# KiCad board prototype_01.kicad_pcb (continued)
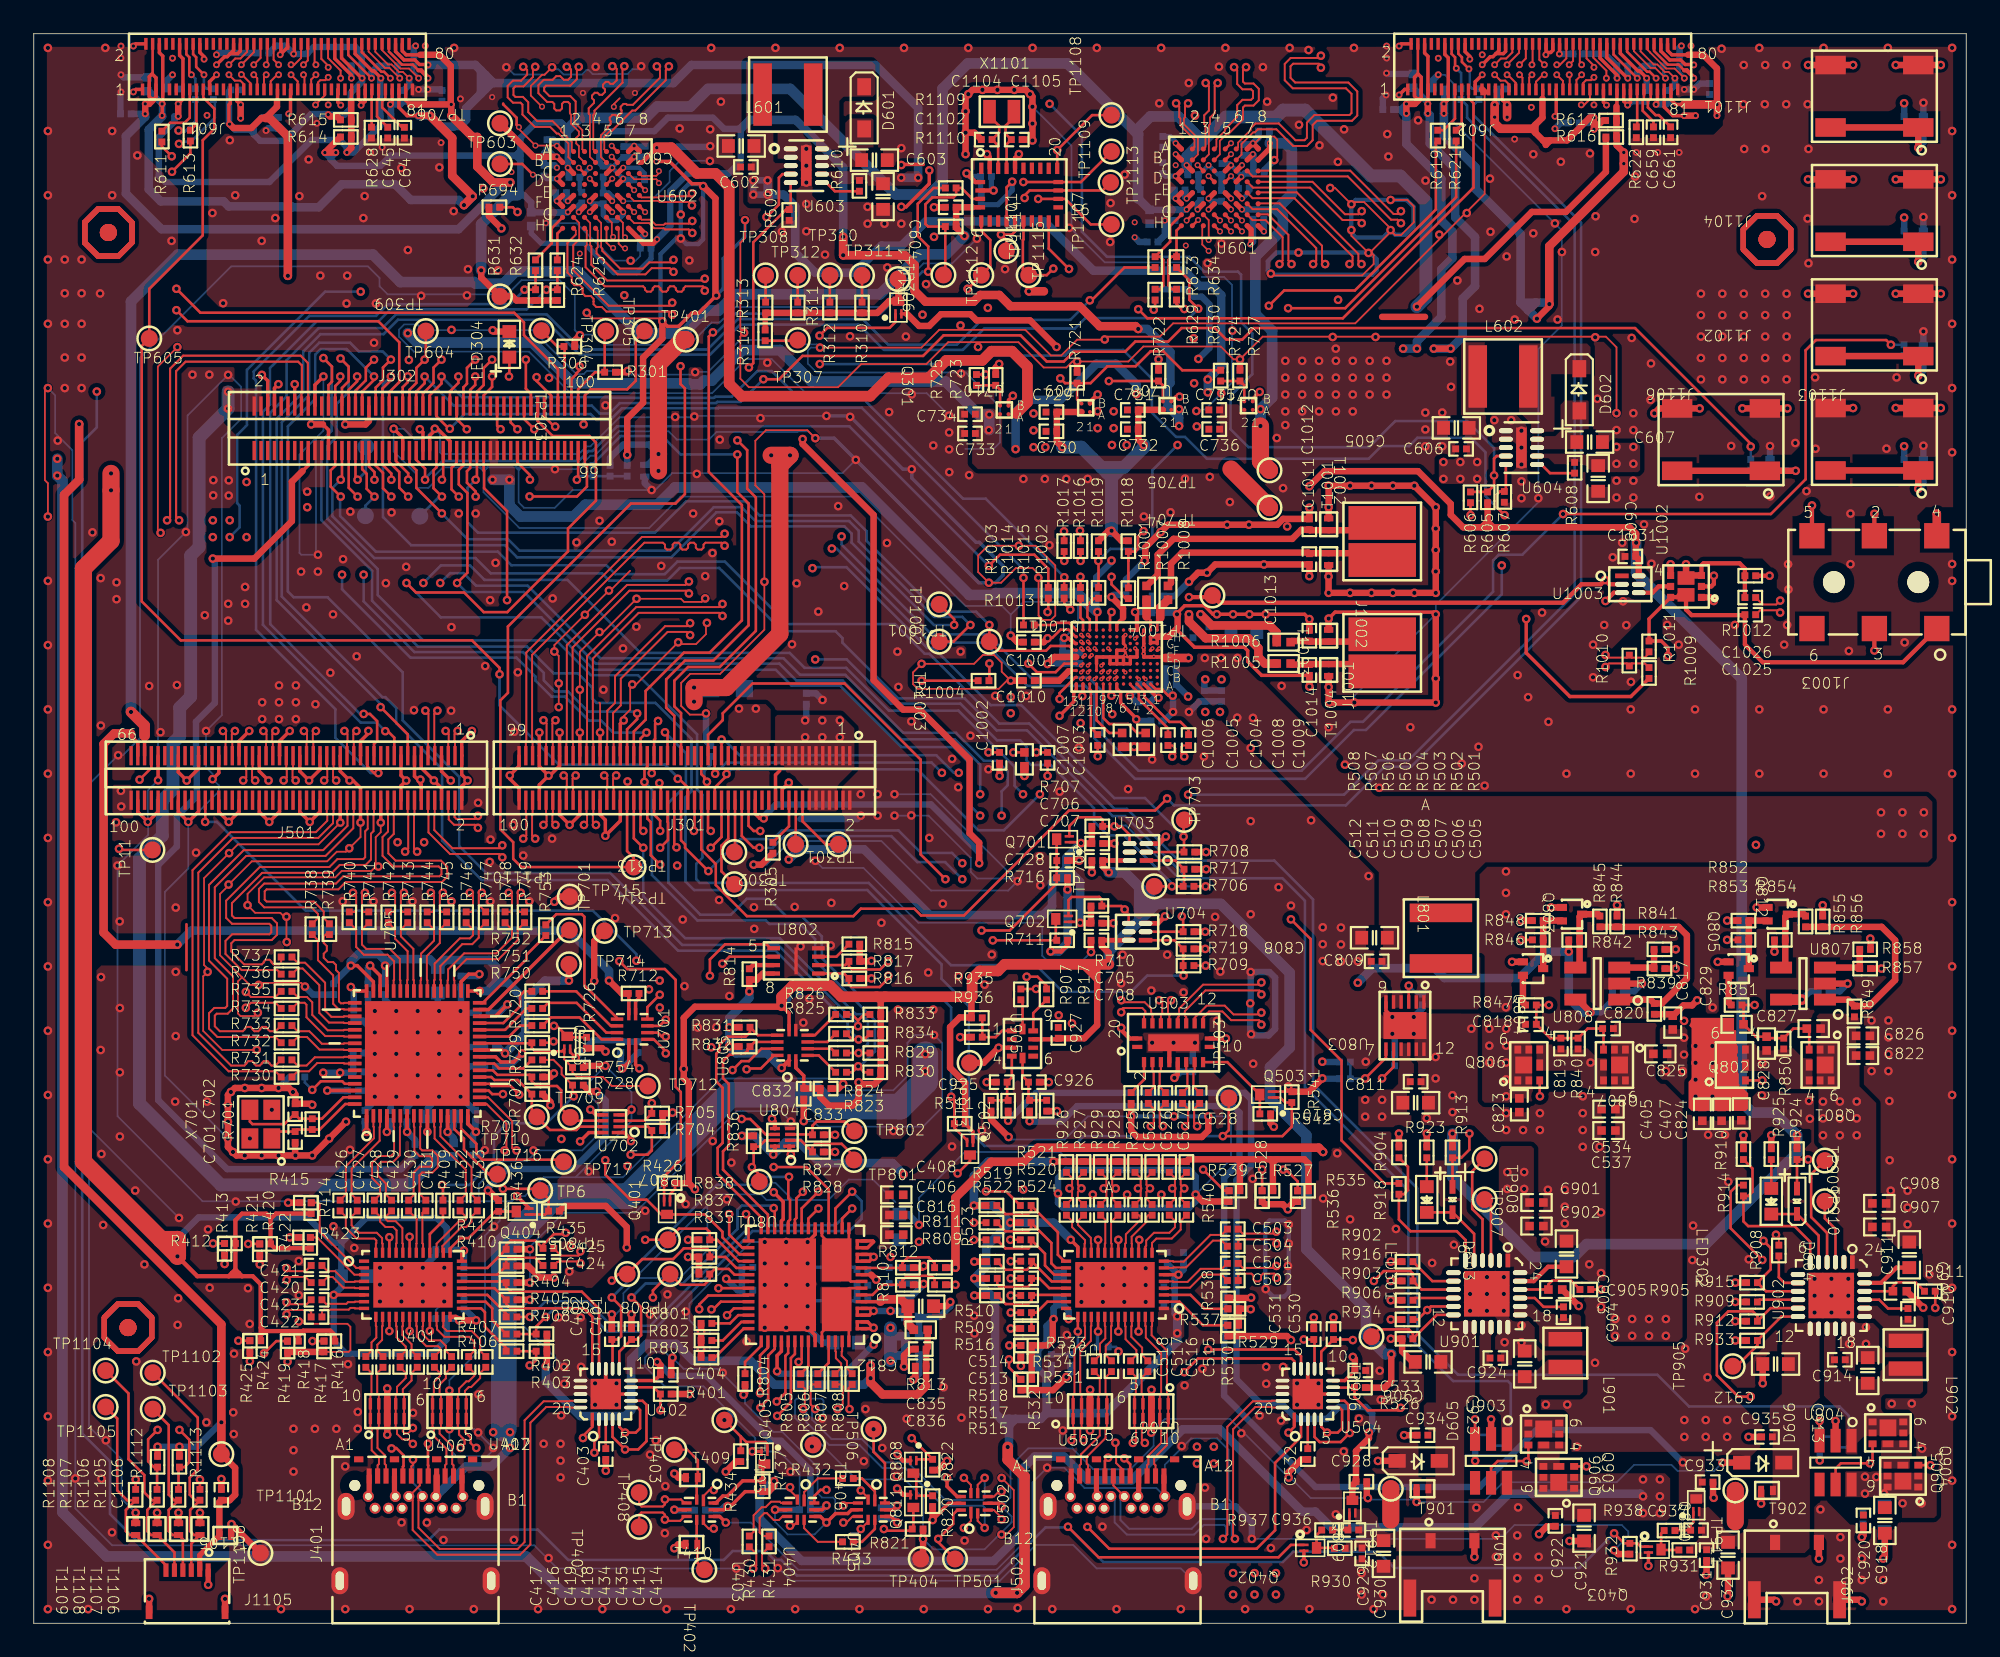
[diagram p0: board, top side]
## Routing (per net, layer and track width the routed paths; a pad name or vN(x,y) marks a point on that pad's centre or on a via; arc(x,y) is an arc through that point) (continued)
MIPI_DSI1_LANE2_N: length 68.5
  TOP w0.102: v4(34.34,81.53) 34.26,81.53 33.95,81.85 U602.H5
  TOP w0.114: v1(29.01,46.52) 29.2,46.7 29.2,47.96 29.17,47.99 J301.98
  ART03 w0.114: v4(34.34,81.53) 34.34,80.6 34.16,80.42 33.45,80.42 33.34,80.54 33.34,80.59 33.23,80.7 33,80.7 32.88,80.59 32.88,80.54 32.77,80.42 32.54,80.42 32.43,80.54 32.43,80.59 32.31,80.7 32.08,80.7 31.97,80.59 31.97,80.54 31.85,80.42 31.58,80.42 31.2,80.04 31.2,77.23 31.56,76.86 33.5,76.86 34.37,75.99 34.37,67.46 29.92,63.02 28.22,63.02 26.01,60.81 17.57,60.81 16.52,59.76 16.52,55.83 16.98,55.37 25.32,55.37 26.71,53.99 27.32,53.99 27.43,53.87 27.43,51.96 28.69,50.7 28.69,49.13 29.08,48.75 29.08,47.69 28.92,47.53 28.92,47.24 29.08,47.07 29.08,46.58 v1(29.01,46.52)
MIPI_DSI1_LANE2_P: length 68.7
  TOP w0.102: v4(34.34,82.18) 34.34,82.23 34.26,82.31 34.26,83.04 U602.G5
  TOP w0.114: v1(29.73,46.52) 29.54,46.7 29.54,47.96 29.57,47.99 J301.96
  ART03 w0.114: v1(29.73,46.52) 29.42,46.82 29.42,48.89 29.04,49.28 29.04,50.85 27.78,52.11 27.78,54.02 27.46,54.33 26.85,54.33 25.47,55.71 17.12,55.71 16.87,55.97 16.87,59.61 17.72,60.46 26.15,60.46 28.36,62.67 30.06,62.67 34.71,67.32 34.71,76.13 33.64,77.2 31.71,77.2 31.54,77.37 31.54,79.89 31.73,80.08 34.31,80.08 34.68,80.46 34.68,81.84 v4(34.34,82.18)
MIPI_DSI1_LANE3_N: length 68.7
  TOP w0.102: U602.H6 34.67,82.63 34.67,81.79 34.95,81.51 v4(35.05,81.51)
  TOP w0.114: v1(30.21,47.33) 30.4,47.51 30.4,47.96 30.37,47.99 J301.92
  ART03 w0.114: v4(35.05,81.51) 35.2,81.66 35.78,81.66 36.3,81.14 36.3,80.87 36.19,80.76 36.05,80.76 35.94,80.64 35.94,80.41 36.05,80.3 36.19,80.3 36.3,80.18 36.3,79.68 36.16,79.54 32.93,79.54 32.62,79.23 32.62,78.54 33.28,77.88 35.18,77.88 35.47,77.58 35.47,74.66 35.7,74.43 35.7,66.84 28.73,59.87 18.46,59.87 17.64,59.05 17.64,57.03 18.33,56.34 25.79,56.34 27,55.13 28.11,55.13 29.01,54.23 29.01,52.53 29.71,51.84 29.71,49.92 30.4,49.23 30.4,48.83 30.2,48.63 30.2,48.37 30.4,48.17 30.4,47.51 v1(30.21,47.33)
MIPI_DSI1_LANE3_P: length 68.5
  TOP w0.102: v4(35.05,82.16) 34.92,82.29 34.92,83.03 U602.G6
  TOP w0.114: v1(30.93,47.33) 30.74,47.51 30.74,47.96 30.77,47.99 J301.90
  ART03 w0.114: v4(35.05,82.16) 35.21,82 35.92,82 36.65,81.28 36.65,79.54 36.3,79.2 33.07,79.2 32.96,79.08 32.96,78.69 33.43,78.22 35.32,78.22 35.81,77.73 35.81,74.81 36.04,74.58 36.04,66.7 28.87,59.53 18.6,59.53 17.98,58.91 17.98,57.17 18.47,56.68 25.93,56.68 27.14,55.47 28.25,55.47 29.36,54.37 29.36,52.67 30.05,51.98 30.05,50.06 30.74,49.37 30.74,47.51 v1(30.93,47.33)
OTG_EN: length 54.4
  TOP w0.152: v1(39.99,44.59) 38.61,45.97 38.61,46.18 38.37,46.41 J301.52 ; U803.3 v1(81.51,37.8)
  ART03 w0.122: v1(55.04,45.06) 55.61,45.63 56.96,45.63 57.61,44.98 60.13,44.98 61.06,44.05 66.55,44.05 66.73,44.22 76.12,44.22 80.27,40.07 80.27,39.03 v1(81.51,37.8)
  BOTTOM w0.152: v1(55.04,45.06) 54.43,45.67 52.59,45.67 51.26,47 44.34,47 43.83,46.49 41.88,46.49 v1(39.99,44.59) ; v1(81.51,37.8) 82,37.3 R818.2
PA_BC_R_D+: length 17.4
  TOP w0.114: v1(56.37,5.65) 55.95,6.07 U502.2 ; R805.1 45.71,13.92 45.71,12.83 45.73,12.81 v1(45.61,12.7)
  BOTTOM w0.114: v1(45.61,12.7) 45.8,12.51 45.8,11.93 47.15,10.57 48.95,10.57 50.32,9.2 51.66,9.2 53.89,6.97 56.25,6.97 56.37,6.85 v1(56.37,5.65)
PA_BC_R_D-: length 17.2
  TOP w0.114: v1(46.32,12.7) 46.05,12.97 46.05,14.04 46.16,14.16 R806.1 ; U502.6 55.95,8.2 v1(56.37,8.62)
  BOTTOM w0.114: v1(46.32,12.7) 46.14,12.51 46.14,12.07 47.29,10.92 49.09,10.92 50.46,9.54 51.8,9.54 54.03,7.31 56.25,7.31 56.37,7.42 v1(56.37,8.62)
PA_DP_MODE: length 14.9
  TOP w0.152: v1(57.89,22.73) R524.2 ; U801.21 45.92,23.99 v1(46.51,24.59)
  ART03 w0.122: v1(46.51,24.59) 47.62,23.48 50.71,23.48 51.66,24.43 54.32,24.43 55.54,23.22 56.21,23.22 56.69,22.73 v1(57.89,22.73)
PA_POL: length 17.7
  TOP w0.152: R521.2 57.64,25.61 v1(56.44,25.61) ; U801.23 45.12,23.94 45.21,24.03 45.21,25.2 v1(45.59,25.58)
  ART03 w0.122: v1(56.44,25.61) 55.84,25.61 55.32,25.09 51.32,25.09 50.33,24.1 48.09,24.1 47.48,24.72 47.48,25.5 46.88,26.09 46.11,26.09 v1(45.59,25.58)
PA_PP_EXT_ENABLE: length 87.6
  TOP w0.152: v1(100.38,40.51) R853.2 ; U801.48 45.12,15.96 44.88,15.72 44.88,13.11 v1(44.07,12.29)
  ART03 w0.122: v1(44.07,12.29) 45.28,13.5 50.68,13.5 51.35,12.83 71.41,12.83 72,13.42 78.03,13.42 79.62,11.84 81.48,11.84 82.02,12.37 82.02,18.82 84.57,21.38 91.55,21.38 94.54,24.37 94.54,38.81 96.24,40.51 v1(100.38,40.51)
PA_R_D+: length 34.1
  TOP w0.114: v1(71.2,5) 71.09,5.11 71.09,11.51 72.41,12.82 73.36,12.82 73.38,12.79 74.02,12.79 ; J502.B6 64,8.17 J502.A6 ; v1(57.37,6.16) 57.37,6.26 56.92,6.71 U502.3
  ART03 w0.114: J502.B6 64.42,7.29 64.42,4.86 63.92,4.37 59.82,4.37 58.9,5.28 58.9,6.38 58.5,6.78 57.99,6.78 v1(57.37,6.16)
  BOTTOM w0.114: J502.B6 64.42,7.29 64.42,6.12 64.94,5.6 68.64,5.6 69.21,6.17 70.7,6.17 71.02,5.86 71.02,5.19 v1(71.2,5)
PA_R_D-: length 38
  TOP w0.114: v1(64.12,10.7) 64.16,10.66 64.16,9.5 64.5,9.16 J502.A7 ; 74.02,13.19 73.38,13.19 73.36,13.16 72.26,13.16 70.75,11.65 70.75,5.26 v1(70.49,5) ; v1(57.37,7.81) 57.21,7.81 56.92,7.51 U502.5
  ART03 w0.114: v1(64.12,10.7) 64.16,10.66 64.16,9.04 63.85,8.73 J502.B7 64.07,7.29 64.07,5 63.78,4.71 59.96,4.71 59.25,5.43 59.25,6.52 58.64,7.12 58.05,7.12 v1(57.37,7.81)
  BOTTOM w0.114: v1(70.49,5) 70.68,5.19 70.68,5.72 70.56,5.83 69.36,5.83 68.78,5.26 64.79,5.26 64.07,5.98 64.07,7.29 J502.B7
PA_R_HPDIN: length 38.9
  TOP w0.152: v1(55.73,22.73) R523.2 ; v1(41.22,24.26) 41.22,23.04 42,22.27 U801.30 ; v1(54.76,26.67) 55.5,27.41 Q502.3
  ART03 w0.122: v1(41.22,24.26) 42.37,23.11 50.97,23.11 52.01,24.16 54.08,24.16 55.5,22.73 v1(55.73,22.73)
  ART06 w0.122: v1(54.76,26.67) 55.22,26.21 55.22,23.24 v1(55.73,22.73) 56.49,21.97 56.49,19.12 57.66,17.95 58.41,17.95 60.25,16.11 v1(64.3,16.11)
  BOTTOM w0.152: v1(64.3,16.11) 64.3,16.23 64.15,16.38 R512.2
PA_USB3: length 14.5
  TOP w0.152: v1(46.51,25.59) 45.52,24.59 U801.22 ; v1(55.73,23.75) R522.2
  ART03 w0.122: v1(55.73,23.75) 55.73,23.98 54.97,24.74 51.48,24.74 50.53,23.79 47.84,23.79 47.11,24.52 47.11,25 46.52,25.59 v1(46.51,25.59)
PB_BC_L_D+: length 11.5
  TOP w0.114: v1(49.02,7.87) 49.46,7.44 U405.2 ; R807.1 47.84,14.16 47.96,14.04 47.96,13.01 v1(47.65,12.7)
  ART03 w0.114: v1(47.65,12.7) 47.78,12.7 47.89,12.58 47.89,11.64 48.1,11.43 48.1,11.15 48.29,10.97 48.57,10.97 48.75,10.78 48.75,10.51 48.94,10.32 49.21,10.32 49.92,9.61 49.92,7.13 49.69,6.9 49.14,6.9 49.02,7.02 v1(49.02,7.87)
PB_BC_L_D-: length 11.2
  TOP w0.114: v1(48.36,12.7) 48.3,12.76 48.3,13.94 R808.1 ; v1(49.02,5.59) 49.46,6.02 U405.6
  ART03 w0.114: v1(48.36,12.7) 48.23,12.58 48.23,11.79 50.26,9.76 50.26,6.99 49.83,6.56 49.14,6.56 49.02,6.45 v1(49.02,5.59)
PB_DP_MODE: length 25.2
  TOP w0.152: v1(48.51,24.59) 47.92,23.99 U801.16 ; R408.2 v1(29.41,18.16)
  BOTTOM w0.152: v1(48.51,24.59) 47.52,23.6 42.5,23.6 36.55,17.64 34.25,17.64 32.8,19.09 30.34,19.09 v1(29.41,18.16)
PB_L_D+: length 58.9
  TOP w0.114: 48.86,7.13 48.14,7.13 v1(47.99,6.98) ; v1(22.48,9.7) 22.48,9.4 22.38,9.3 J401.A6 ; 32.41,13.19 31.77,13.19 31.74,13.16 30.23,13.16 29.1,12.03 29.1,4.82 28.69,4.41 24.07,4.41 22.81,5.67 22.81,7.29 J401.B6
  ART03 w0.114: J401.B6 22.81,7.75 22.81,8.58 22.98,8.75 23.14,8.75 23.28,8.61 23.44,8.61 23.6,8.77 23.6,8.94 23.46,9.07 23.46,9.23 23.62,9.4 23.78,9.4 23.92,9.26 24.08,9.26 24.25,9.42 24.25,9.58 24.11,9.72 24.11,9.88 26.32,12.1 29.5,12.1 30.23,12.82 32.04,12.82 32.77,12.1 35.51,12.1 36.18,11.43 39.42,11.43 41.48,9.37 43.3,9.37 43.51,9.58 45.28,9.58 45.51,9.35 46.21,9.35 46.32,9.24 46.32,8.84 46.44,8.73 46.67,8.73 46.78,8.84 46.78,9.24 46.9,9.35 47.14,9.35 47.46,9.03 47.46,8.86 47.38,8.78 47.38,8.62 47.55,8.46 47.71,8.46 47.79,8.54 47.95,8.54 48.12,8.37 48.12,8.13 48.01,8.01 47.89,8.01 47.78,7.9 47.78,7.67 47.89,7.56 48.01,7.56 48.12,7.44 48.12,7.12 v1(47.99,6.98)
  BOTTOM w0.114: v1(22.48,9.7) 22.5,9.68 22.5,8.31 23.03,7.78 J401.B6
PB_L_D-: length 57
  TOP w0.114: 32.41,12.79 31.77,12.79 31.74,12.82 30.37,12.82 29.44,11.89 29.44,4.67 28.83,4.06 23.92,4.06 22.46,5.53 22.46,7.29 J401.B7 22.88,8.17 J401.A7 ; v1(47.99,5.97) 48.18,5.97 48.54,6.33 48.86,6.33
  ART03 w0.114: J401.B7 22.46,7.75 22.46,8.72 26.18,12.44 29.35,12.44 30.08,13.17 32.18,13.17 32.91,12.44 35.66,12.44 36.32,11.78 39.56,11.78 41.63,9.71 43.15,9.71 43.37,9.92 45.43,9.92 45.65,9.7 47.28,9.7 48.46,8.51 48.46,6.44 v1(47.99,5.97)
PB_L_HPDIN: length 36.8
  TOP w0.114: R729.2 30.81,33.4 31.29,32.92 31.29,32.55 R728.1 31.94,31.38 32,31.32 v1(32,31.24)
  TOP w0.152: U801.31 41.84,21.87 40.82,22.88 40.82,23.21 39.8,24.24 Q401.3 37.2,24.24 36.33,25.11 35.37,25.11 33.88,26.6 v1(33.88,27.45) ; v1(24.21,25.98) 24.26,25.93 R409.2
  ART03 w0.122: v1(33.88,27.45) 32.42,27.45 31.85,26.88 25.11,26.88 v1(24.21,25.98)
  BOTTOM w0.152: v1(32,31.24) 30.41,29.65 28.06,29.65 27.28,28.86 27.28,27.46 25.81,25.98 v1(24.21,25.98)
PB_POL: length 32.9
  TOP w0.152: R406.2 R403.2 29.78,15.61 29.46,15.29 v1(29.4,15.29) ; v1(43.86,27.05) 45.8,27.05 47.12,25.73 U801.18
  ART03 w0.152: v1(43.86,27.05) 43.05,26.23 41.23,26.23 40.88,26.58 38.85,26.58 38.15,25.88 38.15,25.12 36.95,23.92 35.67,23.92 35.37,24.21 31.74,24.21 30.4,22.88 30.4,22.22 28.91,20.72 28.91,16.96 29.44,16.42 29.44,15.33 v1(29.4,15.29)
PB_PP_EXT_ENABLE: length 82.6
  TOP w0.152: v1(88.19,40.51) R846.2 ; U801.49 45.52,15.68 v1(45.34,15.49)
  ART03 w0.122: v1(45.34,15.49) 47.04,13.79 51.03,13.79 51.66,13.16 71.21,13.16 71.78,13.73 78.25,13.73 79.78,12.19 81.2,12.19 81.66,12.65 81.66,18.99 84.35,21.68 91.43,21.68 94.21,24.46 94.21,38.71 92.2,40.72 88.39,40.72 v1(88.19,40.51)
PB_USB3: length 29.1
  TOP w0.152: U801.17 47.52,24.59 v1(48.51,25.59) ; v1(30.35,18.16) 29.78,17.59 R402.2 R407.2
  BOTTOM w0.152: v1(48.51,25.59) 49.07,25.03 49.07,23.98 48.35,23.25 42.61,23.25 36.65,17.29 34.01,17.29 32.6,18.7 30.89,18.7 v1(30.35,18.16)
PD_I2C1_IRQZ: length 5
  TOP w0.152: U804.2 45.47,28.63 R828.1 46.16,28.27 46.31,28.42 47.89,28.42 48.62,27.7 TP801.1
PD_I2C2_IRQZ: length 4.7
  TOP w0.152: TP802.1 48.08,29.74 46.41,29.74 46.16,29.5 R827.1 46.14,28.98 U804.3
PD_LDO_1V8: length 4
  TOP w0.203: U801.35 41.2,20.27 v1(41.05,20.42)
  BOTTOM w0.381: C806.1 C807.1 41.72,19.74 v1(41.05,20.42)
PD_LDO_3V3: length 237.9
  TOP w0.203: U801.9 49.64,20.67 ; U404.9 46.74,6.73 v1(46.99,6.98) ; 77.02,14.39 77.72,14.39 C533.1 ; 35.41,14.39 36.8,14.39 C404.1 ; U405.9 50.93,6.73 v1(51.18,6.98) ; v1(53.28,6.12) 53.87,6.71 53.87,6.76 54.23,7.11 54.95,7.11
  TOP w0.254: U804.8 43.93,27.88 v1(43.84,27.79) ; v1(51.18,7.98) 51.55,7.61 Q811.2 ; v1(44.33,32.92) 44.77,33.36 U805.1 ; 43.22,38.52 U802.8 ; v1(67.61,32.33) 67.81,32.53 U503.6
  TOP w0.381: 49.64,20.67 v1(49.94,20.37) ; v1(78.19,15.79) 78.31,15.67 C533.1 ; v1(53.28,6.12) R820.1 ; v1(103.18,39.82) R854.2 ; v1(41.22,35.33) R831.2 ; R816.1 v1(49.66,38.23) ; v1(92.28,36.22) 91.53,36.97 U808.5 ; C404.1 37.14,15.31 v1(36.96,15.49) ; R809.1 v1(54.64,20.07) ; R811.1 v1(54.64,21.08) ; R542.1 73.32,29.63 v1(73.51,29.44) ; R815.1 R817.1 49.63,39.24 v1(49.66,39.27) ; 43.22,38.52 42.86,38.16 R814.1 v1(42.42,37.45) ; v1(38.79,21.72) R837.2 R835.2 ; v1(90.99,39.82) R842.2 ; v1(41.22,34.19) R832.2 ; v1(41.97,28.9) R836.2 ; v1(38.79,22.73) R838.2
  TOP w0.508: v1(76.43,27.94) 76.17,28.19 59.52,28.19 58.68,27.36 56.77,27.36 54.64,25.23 v1(54.64,21.08)
  TOP w0.635: U807.5 v1(104.81,36.97)
  ART03 w0.508: 72.49,32.43 73.43,31.5 73.51,31.5 ; 72.49,32.43 72.92,32.43 ; 72.49,32.43 67.71,32.43 v1(67.61,32.33) ; v1(42.42,37.45) 42.75,37.79 45.45,37.79 45.89,38.23 v1(49.66,38.23) v1(49.66,39.27) ; 73.51,31.5 v1(73.51,29.44) 75.01,27.94 75.38,27.94 ; 73.51,31.5 73.51,31.95 ; 75.38,27.94 v1(76.43,27.94) 75.76,27.27 ; 75.38,27.94 75.76,27.56 75.76,27.27 ; v1(78.49,37.97) 78.49,37.41 73.51,32.43 ; 72.92,32.43 73.51,32.43 ; 72.92,32.43 73.4,31.95 73.51,31.95 ; 73.51,32.43 73.51,31.95 ; v1(36.96,15.49) 37.2,15.73 37.2,18.18 38.43,19.42 38.43,21.36 v1(38.79,21.72) v1(38.79,22.73) ; v1(54.64,20.07) v1(54.64,21.08) ; 75.76,27.27 75.76,22.41 79.3,18.87 79.3,16.3 78.79,15.79 v1(78.19,15.79)
  ART05 w0.381: v1(44.33,32.92) 46.6,30.65 46.6,29.31 46.12,28.82 44.63,28.82 43.84,28.03 v1(43.84,27.79)
  ART05 w0.508: v1(41.97,28.9) 40.52,27.45 40.52,25.77 38.79,24.03 v1(38.79,22.73) v1(38.79,21.72) 38.46,21.39 38.46,19.44 37.18,18.15 37.18,15.71 v1(36.96,15.49) ; v1(90.99,39.82) 92.28,38.53 v1(92.28,36.22) 95.81,36.22 97.31,37.72 100.44,37.72 102.53,39.82 v1(103.18,39.82) 104.81,38.19 v1(104.81,36.97)
  ART06 w0.381: 54.05,22.07 53.87,21.89 53.82,21.89 ; v1(54.64,20.07) v1(54.64,21.08) ; 53.82,21.89 52.25,21.89 50.72,20.37 v1(49.94,20.37) ; 53.82,21.89 54.05,21.66
  ART06 w0.508: v1(51.56,26.62) 54.05,24.13 54.05,21.66 v1(54.64,21.08) ; 52.05,6.11 53.27,6.11 v1(53.28,6.12) ; 52.05,6.11 52.05,5.18 51.47,4.6 47.04,4.6 46.18,5.46 46.18,6.18 v1(46.99,6.98) ; 52.05,6.11 v1(51.18,6.98) v1(51.18,7.98)
  BOTTOM w0.381: v1(51.18,6.98) 51.04,6.85 C438.1 ; v1(36.96,15.49) 37.79,14.67 39.88,14.67 43.72,10.82 44.3,10.82 46.04,9.08 C436.1 46.74,6.73 v1(46.99,6.98) ; C821.1 93.58,36.92 92.89,36.22 v1(92.28,36.22) ; C529.1 67.98,32.7 v1(67.61,32.33) ; C830.1 105.3,37.46 v1(104.81,36.97)
  BOTTOM w0.508: v1(44.33,32.92) 43.47,33.78 41.63,33.78 v1(41.22,34.19) v1(41.22,35.33) 41.22,35.88 42.42,37.07 v1(42.42,37.45) ; v1(51.56,26.62) 50.9,27.28 46.61,27.28 45.36,28.52 44.58,28.52 v1(43.84,27.79) 42.73,28.9 v1(41.97,28.9) ; v1(92.28,36.22) 91.82,36.22 90.99,37.05 v1(90.99,39.82) 89.63,39.82 88.06,38.25 83.62,38.25 83.03,38.84 79.35,38.84 v1(78.49,37.97)
PD_RESET: length 136.7
  TOP w0.152: J302.84 29.47,72.89 29.17,73.19 v1(29.17,74.91) ; Q808.1 52.39,9.72 R822.1 53.28,9.73 v1(52.04,10.97)
  ART03 w0.122: v1(29.17,74.91) 29.69,74.4 30.78,74.4 31.44,73.75 31.44,68.13 28.27,64.96 27.47,64.96 26.7,64.19 16.39,64.19 15.99,63.79 13.22,63.79 v1(12.62,64.39)
  ART06 w0.122: v1(12.62,64.39) 12.62,63.03 3.5,53.91 3.5,21.94 10.62,14.81 16.27,14.81 17.81,16.35 25.86,16.35 27.16,17.65 38.8,17.65 39.03,17.88 40.07,17.88 41.71,16.24 46.78,16.24 v1(52.04,10.97)
PD_SPI_CLK: length 29.2
  TOP w0.152: U801.38 40.73,19.07 40.27,18.61 v1(40.17,18.61) ; v1(40.82,39.1) 41.24,39.52 U802.6
  ART06 w0.122: v1(40.17,18.61) 39.83,18.95 39.83,24.62 42.1,26.9 42.1,27.28 43.04,28.22 43.04,31.6 43.29,31.84 43.29,34.76 41.6,36.45 41.08,36.45 40.62,36.91 40.62,38.9 v1(40.82,39.1)
PD_SPI_MISO: length 33.7
  TOP w0.152: U802.2 48.1,39.02 R817.2 48.32,38.95 48.51,38.76 50.17,38.76 v1(50.66,39.24) ; v1(40.59,19.86) 40.59,19.87 U801.36
  ART06 w0.122: v1(50.66,39.24) 50.14,38.73 50.14,38.08 50.37,37.86 50.37,30.07 49.36,29.07 49.36,24.55 48.22,23.41 43,23.41 41.68,22.09 41.68,20.35 41.25,19.91 40.64,19.91 v1(40.59,19.86)
PD_SPI_MOSI: length 31.4
  TOP w0.152: v1(40.08,38.38) 40.08,39.35 40.98,40.25 43.44,40.25 43.67,40.02 U802.5 ; v1(39.45,18.62) 39.45,18.9 39.98,19.43 42.33,19.43 U801.37
  ART06 w0.122: v1(40.08,38.38) 40.08,37.02 40.99,36.11 41.48,36.11 43.01,34.58 43.01,32.12 42.72,31.82 42.72,28.44 41.83,27.55 41.83,27.1 39.55,24.82 39.55,18.72 v1(39.45,18.62)
PD_SPI_SS: length 33.6
  TOP w0.152: v1(41.1,18.26) 41.5,18.67 U801.39 ; v1(50.66,38.39) 50.66,38.23 50.15,37.72 48.47,37.72 48.32,37.87 R816.2 48.03,38.52 U802.1
  ART06 w0.122: v1(50.66,38.39) 50.66,29.89 49.66,28.89 49.66,24.42 48.33,23.09 43.13,23.09 41.99,21.96 41.99,19.16 v1(41.1,18.26)
R_775_EN: length 52.4
  TOP w0.152: R724.2 68.08,74.28 66.95,75.41 66.21,75.41 65.32,74.52 63.65,74.52 62.65,73.52 R721.2 ; v1(37.08,49.81) 37.17,49.72 J301.58 ; U709.B2 61.85,72.57 R721.2 ; v1(60.85,73.8) 61.13,73.52 R721.2
  ART03 w0.122: v1(37.08,49.81) 37.08,50.25 40.49,53.66 40.49,54.47 42.89,56.88 44.55,56.88 53.79,66.12 53.79,72.19 56.8,75.19 59.46,75.19 v1(60.85,73.8)
R_AUXN: length 49.9
  TOP w0.114: v1(67.49,51.38) 67.67,51.57 67.67,51.86 67.49,52.04 C1008.2
  TOP w0.152: v1(57.91,20.45) C513.1
  ART06 w0.114: v1(57.91,20.45) 58.12,20.65 59.82,20.65 60.72,21.55 67.14,21.55 71.78,26.19 71.78,32.08 69.64,34.22 69.64,36.59 71.19,38.14 71.19,51.81 70.45,52.55 67.99,52.55 67.6,52.17 67.6,51.5 v1(67.49,51.38)
R_AUXP: length 49.3
  TOP w0.114: v1(68.2,51.38) 68.01,51.57 68.01,51.92 68.13,52.04 C1009.2
  TOP w0.152: v1(57.91,21.46) C514.1
  ART06 w0.114: v1(57.91,21.46) 57.91,21.11 58.03,20.99 59.67,20.99 60.58,21.89 67,21.89 71.44,26.33 71.44,31.94 69.3,34.08 69.3,36.74 70.85,38.29 70.85,51.67 70.31,52.21 70.04,52.21 69.92,52.1 69.92,52.06 69.81,51.94 69.58,51.94 69.47,52.06 69.47,52.1 69.35,52.21 69.12,52.21 69.01,52.1 69.01,52.06 68.89,51.94 68.67,51.94 68.55,52.06 68.55,52.1 68.44,52.21 68.13,52.21 67.94,52.03 67.94,51.5 68.06,51.38 v1(68.2,51.38)
R_BAT_CTL: length 112.1
  TOP w0.152: v1(18.2,67.79) 18.27,67.87 J302.27
  BOTTOM w0.152: R920.1 87.18,10.53 87.55,10.9 87.55,14.19 87.38,14.36 84.14,14.36 81.48,17.01 81.48,25.65 75.35,31.79 75.35,42.84 74.02,44.17 68.38,44.17 64.69,47.85 63.96,47.85 58.88,52.93 57.08,52.93 55.18,54.83 51.24,54.83 47.94,58.13 47.94,58.4 47.53,58.81 44.38,58.81 40.63,62.56 38.29,62.56 37.55,61.81 34.12,61.81 33.69,62.25 27.09,62.25 26.19,63.15 20.18,63.15 17.7,65.63 17.7,67.3 v1(18.2,67.79)
R_C_CC1: length 24.7
  TOP w0.152: J502.A5 63.5,9.62 v1(63.69,9.82) ; 75.92,12.09 75.92,11.05 76.22,10.74 77.47,10.74 v1(78,11.28) 77.93,11.35 77.93,12.95 77.7,13.19 77.02,13.19
  ART03 w0.152: v1(63.69,9.82) 63.37,10.13 63.37,11 64.72,12.34 71.48,12.34 72,12.86 73.99,12.86 74.63,12.22 77.06,12.22 v1(78,11.28)
R_C_CC2: length 18
  TOP w0.152: 77.02,12.79 77.4,12.79 77.55,12.64 77.55,11.56 77.3,11.3 v1(76.66,11.3) 76.32,11.65 76.32,12.09
  ART03 w0.122: J502.B5 66.15,5.72 68.88,5.72 73.99,10.83 76.19,10.83 v1(76.66,11.3)
R_C_SBU1: length 13.8
  TOP w0.152: U504.1 74.72,11.65 v1(74.38,11.3) ; v1(64.64,9.78) 65,9.43 J502.A8
  ART03 w0.152: v1(74.38,11.3) 72.49,11.3 71.83,11.96 65.48,11.96 64.64,11.13 v1(64.64,9.78)
R_C_SBU2: length 20.8
  TOP w0.152: v1(62.46,5.72) 63.75,4.42 72.49,4.42 73.58,5.51 73.58,9.51 75.12,11.05 75.12,12.09
  ART06 w0.122: J502.B8 63.45,6.7 v1(62.46,5.72)
R_CC1: length 48.9
  TOP w0.152: v1(75.29,16.82) C531.1 75.92,16.78 75.92,15.09 ; U801.45 43.92,16.26 43.54,15.88 43.54,13.3 43.07,12.84 v1(43.07,12.78)
  ART03 w0.122: v1(43.07,12.78) 42.58,13.27 42.58,16.29 43.06,16.77 48.37,16.77 48.69,17.09 48.69,19.13 49.14,19.59 52.09,19.59 56.92,14.76 59.91,14.76 60.54,15.39 67.07,15.39 68.96,17.27 74.84,17.27 v1(75.29,16.82)
R_CC2: length 49.7
  TOP w0.152: U801.47 44.72,16.02 44.56,15.85 44.56,13.66 v1(44.04,13.15) ; v1(78.19,16.79) 78.16,16.82 C530.1 76.32,16.1 76.32,15.09
  ART03 w0.122: v1(78.19,16.79) 76.81,16.79 76.25,16.23 74.3,16.23 73.57,16.96 69.08,16.96 67.22,15.1 60.74,15.1 59.97,14.33 56.76,14.33 51.78,19.31 49.41,19.31 49.02,18.91 49.02,16.74 48.3,16.03 45.14,16.03 44.83,15.71 44.83,13.93 v1(44.04,13.15)
R_CHG_CE: length 70.6
  TOP w0.152: v1(79.44,20.29) 80.03,20.88 81.61,20.88 81.75,20.74 R916.2 82.26,19.78 U901.9 ; J301.34 41.97,46.68 42.67,45.97 v1(43.01,45.97)
  ART03 w0.122: v1(79.44,20.29) 79.44,23.31 81.46,25.32 81.46,32.89 79.96,34.39 79.96,39.73 76.65,43.04 65.77,43.04 65.42,43.4 62.88,43.4 62.32,42.83 59.24,42.83 58.57,43.51 55.64,43.51 v1(55.04,44.11)
  BOTTOM w0.152: v1(43.01,45.97) 43.8,45.97 44.49,46.66 50.84,46.66 52.37,45.13 54.03,45.13 v1(55.04,44.11)
R_CHG_STAT: length 99.3
  TOP w0.152: v1(25.1,61.67) 25.7,62.28 25.7,67.01 25.2,67.51 25.2,68.38 25.47,68.65 J302.63 ; D603.1 R913.2 84.62,27.59 85.1,28.08 v1(85.1,29.03)
  ART03 w0.122: v1(56.1,49.15) 56.72,48.53 56.72,47.86 57.2,47.39 62.82,47.39 63.48,46.72 64.81,46.72 65.66,45.86 68.87,45.86 69.2,46.19 85.14,46.19 86.69,44.64 86.69,38.15 84.66,36.12 84.66,29.47 v1(85.1,29.03)
  BOTTOM w0.152: v1(25.1,61.67) 25.63,61.14 29.06,61.14 33.3,56.89 44.21,56.89 45.21,55.89 47.96,55.89 51.45,52.4 54.6,52.4 56.1,50.9 v1(56.1,49.15)
R_D+: length 20.9
  TOP w0.114: v1(55.14,8.62) 55.55,8.2 U502.7 ; v1(44.83,8.07) 44.83,7.87 45.27,7.44 U404.2
  ART03 w0.114: v1(55.14,8.62) 55.14,7.42 55.02,7.31 54.72,7.31 54.35,6.94 54.35,4.21 53.64,3.5 46.05,3.5 45.94,3.62 45.94,6.52 45.55,6.9 44.95,6.9 44.83,7.02 v1(44.83,8.07)
R_D-: length 20.9
  TOP w0.114: v1(55.14,5.65) 55.55,6.07 U502.1 ; U404.6 45.27,6.02 45.02,5.78 v1(44.83,5.78)
  ART03 w0.114: v1(55.14,5.65) 55.14,6.85 55.02,6.97 54.86,6.97 54.69,6.8 54.69,4.07 53.78,3.16 45.91,3.16 45.59,3.47 45.59,3.76 45.48,3.87 45.42,3.87 45.3,3.98 45.3,4.21 45.42,4.33 45.48,4.33 45.59,4.44 45.59,4.67 45.48,4.78 45.42,4.78 45.3,4.9 45.3,5.13 45.42,5.24 45.48,5.24 45.59,5.36 45.59,6.37 45.41,6.56 44.95,6.56 44.83,6.45 v1(44.83,5.78)
R_EN: length 73.2
  TOP w0.152: v1(87.19,65.69) 86.72,66.17 86.72,66.9 86.91,67.1 R607.2 87.26,67.19 U604.5 ; J302.82 29.07,71.39 v1(29.67,70.79)
  ART06 w0.122: v1(46.59,74.65) 45.92,74.65 44.55,73.28 30.94,73.28 29.67,72.01 v1(29.67,70.79)
  BOTTOM w0.152: v1(46.59,74.65) 55.79,74.65 56.29,75.16 61.13,75.16 61.45,75.48 64.58,75.48 66.28,73.78 66.28,71.77 67.72,70.33 68.24,70.33 69.54,69.04 79.13,69.04 79.88,69.79 81.53,69.79 82.02,70.28 85.19,70.28 86.06,69.42 86.06,66.83 v1(87.19,65.69)
R_FAULT: length 136.2
  TOP w0.152: J302.86 29.87,71.27 30.76,70.38 32.94,70.38 33.32,70 33.32,66.55 31.67,64.9 31.67,63.55 28.07,59.94 26.68,59.94 25.51,61.11 22.66,61.11 v1(22.1,61.67) ; 77.02,13.99 77.04,13.97 R526.2 78.29,13.4 79.07,12.62 80.87,12.62 v1(81.03,12.78)
  ART03 w0.122: v1(56.1,47.88) 56.96,47.03 62.56,47.03 64.37,45.21 69.69,45.21 70.39,45.91 85.03,45.91 86.39,44.55 86.39,38.36 81.75,33.72 81.75,25.07 81.29,24.61 81.29,13.04 v1(81.03,12.78)
  BOTTOM w0.152: v1(56.1,47.88) 55.45,48.53 55.45,50.99 54.5,51.94 51.44,51.94 47.8,55.59 44.92,55.59 43.98,56.53 33.2,56.53 30.09,59.63 24.13,59.63 v1(22.1,61.67)
R_I2C_SCL: length 5.8
  TOP w0.152: R629.1 66.74,79.09 66.95,79.3 66.95,80.82 66.76,81.02 R633.1 67.36,81.9 67.36,82.83 U601.G1
R_I2C_SDA: length 4.6
  TOP w0.152: R630.1 67.49,79.09 67.26,79.31 67.26,80.82 67.45,81.02 R634.1 67.74,82.56 U601.H1
R_L_D+: length 11.3
  TOP w0.114: v1(42.65,3.24) 42.83,3.43 42.83,4.12 R430.2 ; U403.1 39.7,7.54 40.06,7.9 v1(40.31,7.9)
  ART03 w0.114: v1(40.31,7.9) 40.31,7.04 40.2,6.93 39.56,6.93 39.15,6.52 39.15,4.68 39.58,4.25 42.55,4.25 42.75,4.06 42.75,3.35 v1(42.65,3.24)
R_L_D-: length 11.2
  TOP w0.114: U403.7 39.7,5.92 40,5.61 v1(40.31,5.61) ; v1(43.36,3.24) 43.17,3.43 43.17,4.12 R431.2
  ART03 w0.114: v1(43.36,3.24) 43.24,3.24 43.09,3.39 43.09,4.2 42.69,4.6 39.73,4.6 39.5,4.83 39.5,6.38 39.71,6.58 40.37,6.58 40.55,6.4 40.55,5.73 40.44,5.61 v1(40.31,5.61)
R_LCD_RST: length 90.2
  TOP w0.152: J302.31 19.07,67.92 v1(19.2,67.79) ; J602.19 85.05,90.42 85.34,90.12 85.34,85.11 77.6,77.36 66.01,77.36 v1(65.47,77.9)
  ART06 w0.122: v1(19.2,67.79) 19.68,67.3 19.68,65.97 21.54,64.11 31.36,64.11 33.86,66.6 33.86,68.88 36.99,72.02 45.26,72.02 45.51,72.27 50.22,72.27 53.11,75.16 57.84,75.16 58.67,74.32 61.52,74.32 61.7,74.14 62.56,74.14 64.26,75.84 64.26,76.69 v1(65.47,77.9)
  BOTTOM w0.152: v1(19.2,67.79) 19.68,68.28 TP606.1
R_LCD_VCCP: length 63.3
  TOP w0.152: 82.05,91.85 J602.4
  TOP w0.203: 98.07,92.98 97.1,92.98 96.85,93.24 J602.78 ; J602.79 97.05,90.33 97.33,90.04 97.84,90.04 ; 81.85,90.54 J602.3 81.85,91.65 82.05,91.85 82.25,91.65 J602.5 82.25,90.45 82.09,90.3 81.85,90.54
  TOP w0.381: 82.09,90.3 81.87,90.07 v5(81.37,90.07) v5(81.37,89.51) ; v5(99.78,89.38) v5(99.78,90.04) 99.78,92.17 98.96,92.98 98.07,92.98
  TOP w0.508: 97.84,90.04 v5(99.78,90.04)
  ART03 w0.508: v5(99.78,90.04) v5(99.78,89.38) 99.78,85.52 88.28,74.02 83.54,74.02 v1(81.99,75.56) v1(81.17,75.56)
  BOTTOM w0.381: 80.97,89.74 81.03,89.74 v5(81.37,90.07) ; 80.97,89.74 81.19,89.51 v5(81.37,89.51) ; 80.97,89.74 C662.2
  BOTTOM w0.508: v5(81.37,89.51) 81.37,87.7 83.44,85.62 83.44,83.16 84.09,82.5 84.09,80.92 83.44,80.27 83.44,77.44 81.99,76 v1(81.99,75.56) v1(81.17,75.56)
R_OTG: length 64.4
  TOP w0.152: R918.1 80.07,26.08 77.52,28.63 77.52,33.35 75.69,35.18 75.69,40.56 v1(74.52,41.73) ; J301.41 40.37,50.46 40.39,50.44 v1(40.39,50.36)
  ART03 w0.122: v1(74.52,41.73) 73.71,42.55 69.67,42.55 68.5,41.38 66.34,41.38 64.92,42.8 63.35,42.8 62.8,42.26 58.92,42.26 58.37,42.81 54.45,42.81 53.2,44.06 53.2,44.87 54.03,45.7 54.03,50.22 v1(53.83,50.42)
  BOTTOM w0.152: v1(53.83,50.42) 53.22,51.03 41.06,51.03 v1(40.39,50.36)
R_RESET: length 68.3
  TOP w0.152: J302.55 23.87,68.52 23.7,68.35 23.7,67.29 v1(24.2,66.79) ; v4(69.64,85.79) U601.D4
  ART06 w0.122: v1(24.2,66.79) 24.62,66.37 24.62,65.38 25.17,64.84 30.95,64.84 33.17,67.06 33.17,69.38 36.44,72.64 44.81,72.64 45.47,73.3 49.96,73.3 52.65,76 55.11,76 56.01,76.9 58.71,76.9 62.78,80.97 62.78,85.32 65.94,88.48 68.71,88.48 70.07,87.12 70.07,86.23 v4(69.64,85.79)
  BOTTOM w0.152: TP602.1 24.04,66.79 v1(24.2,66.79)
R_RX1+: length 12.1
  TOP w0.114: U501.30 62.29,17.63 62.32,17.6 62.32,16.88 61.69,16.25 61.69,13.61 61.61,13.53 U505.10 U505.1 61.61,11.61 61.69,11.53 61.69,11.03 v1(61.51,10.85)
  ART03 w0.114: v1(61.51,10.85) 61.71,10.66 61.71,8.72 62.07,8.36 62.07,7.05 J502.B11
R_RX1-: length 12.1
  TOP w0.114: U501.31 62.69,17.63 62.66,17.6 62.66,16.74 62.03,16.11 62.03,13.61 62.11,13.53 U505.9 U505.2 62.11,11.61 62.03,11.53 62.03,11.04 v1(62.22,10.85)